# Altium PCB CameraControler2.1.PcbDoc (part 3 of 3)
Units mm, origin at the board's own origin, x right, y up, seen from the top; angles counter-clockwise.
Board outline 140 x 112 mm, 2 copper layers (Top Layer, Bottom Layer); 295 components, 219 nets, 919 pads, 603 vias.
Unrouted connection lines stored in the file: 191.
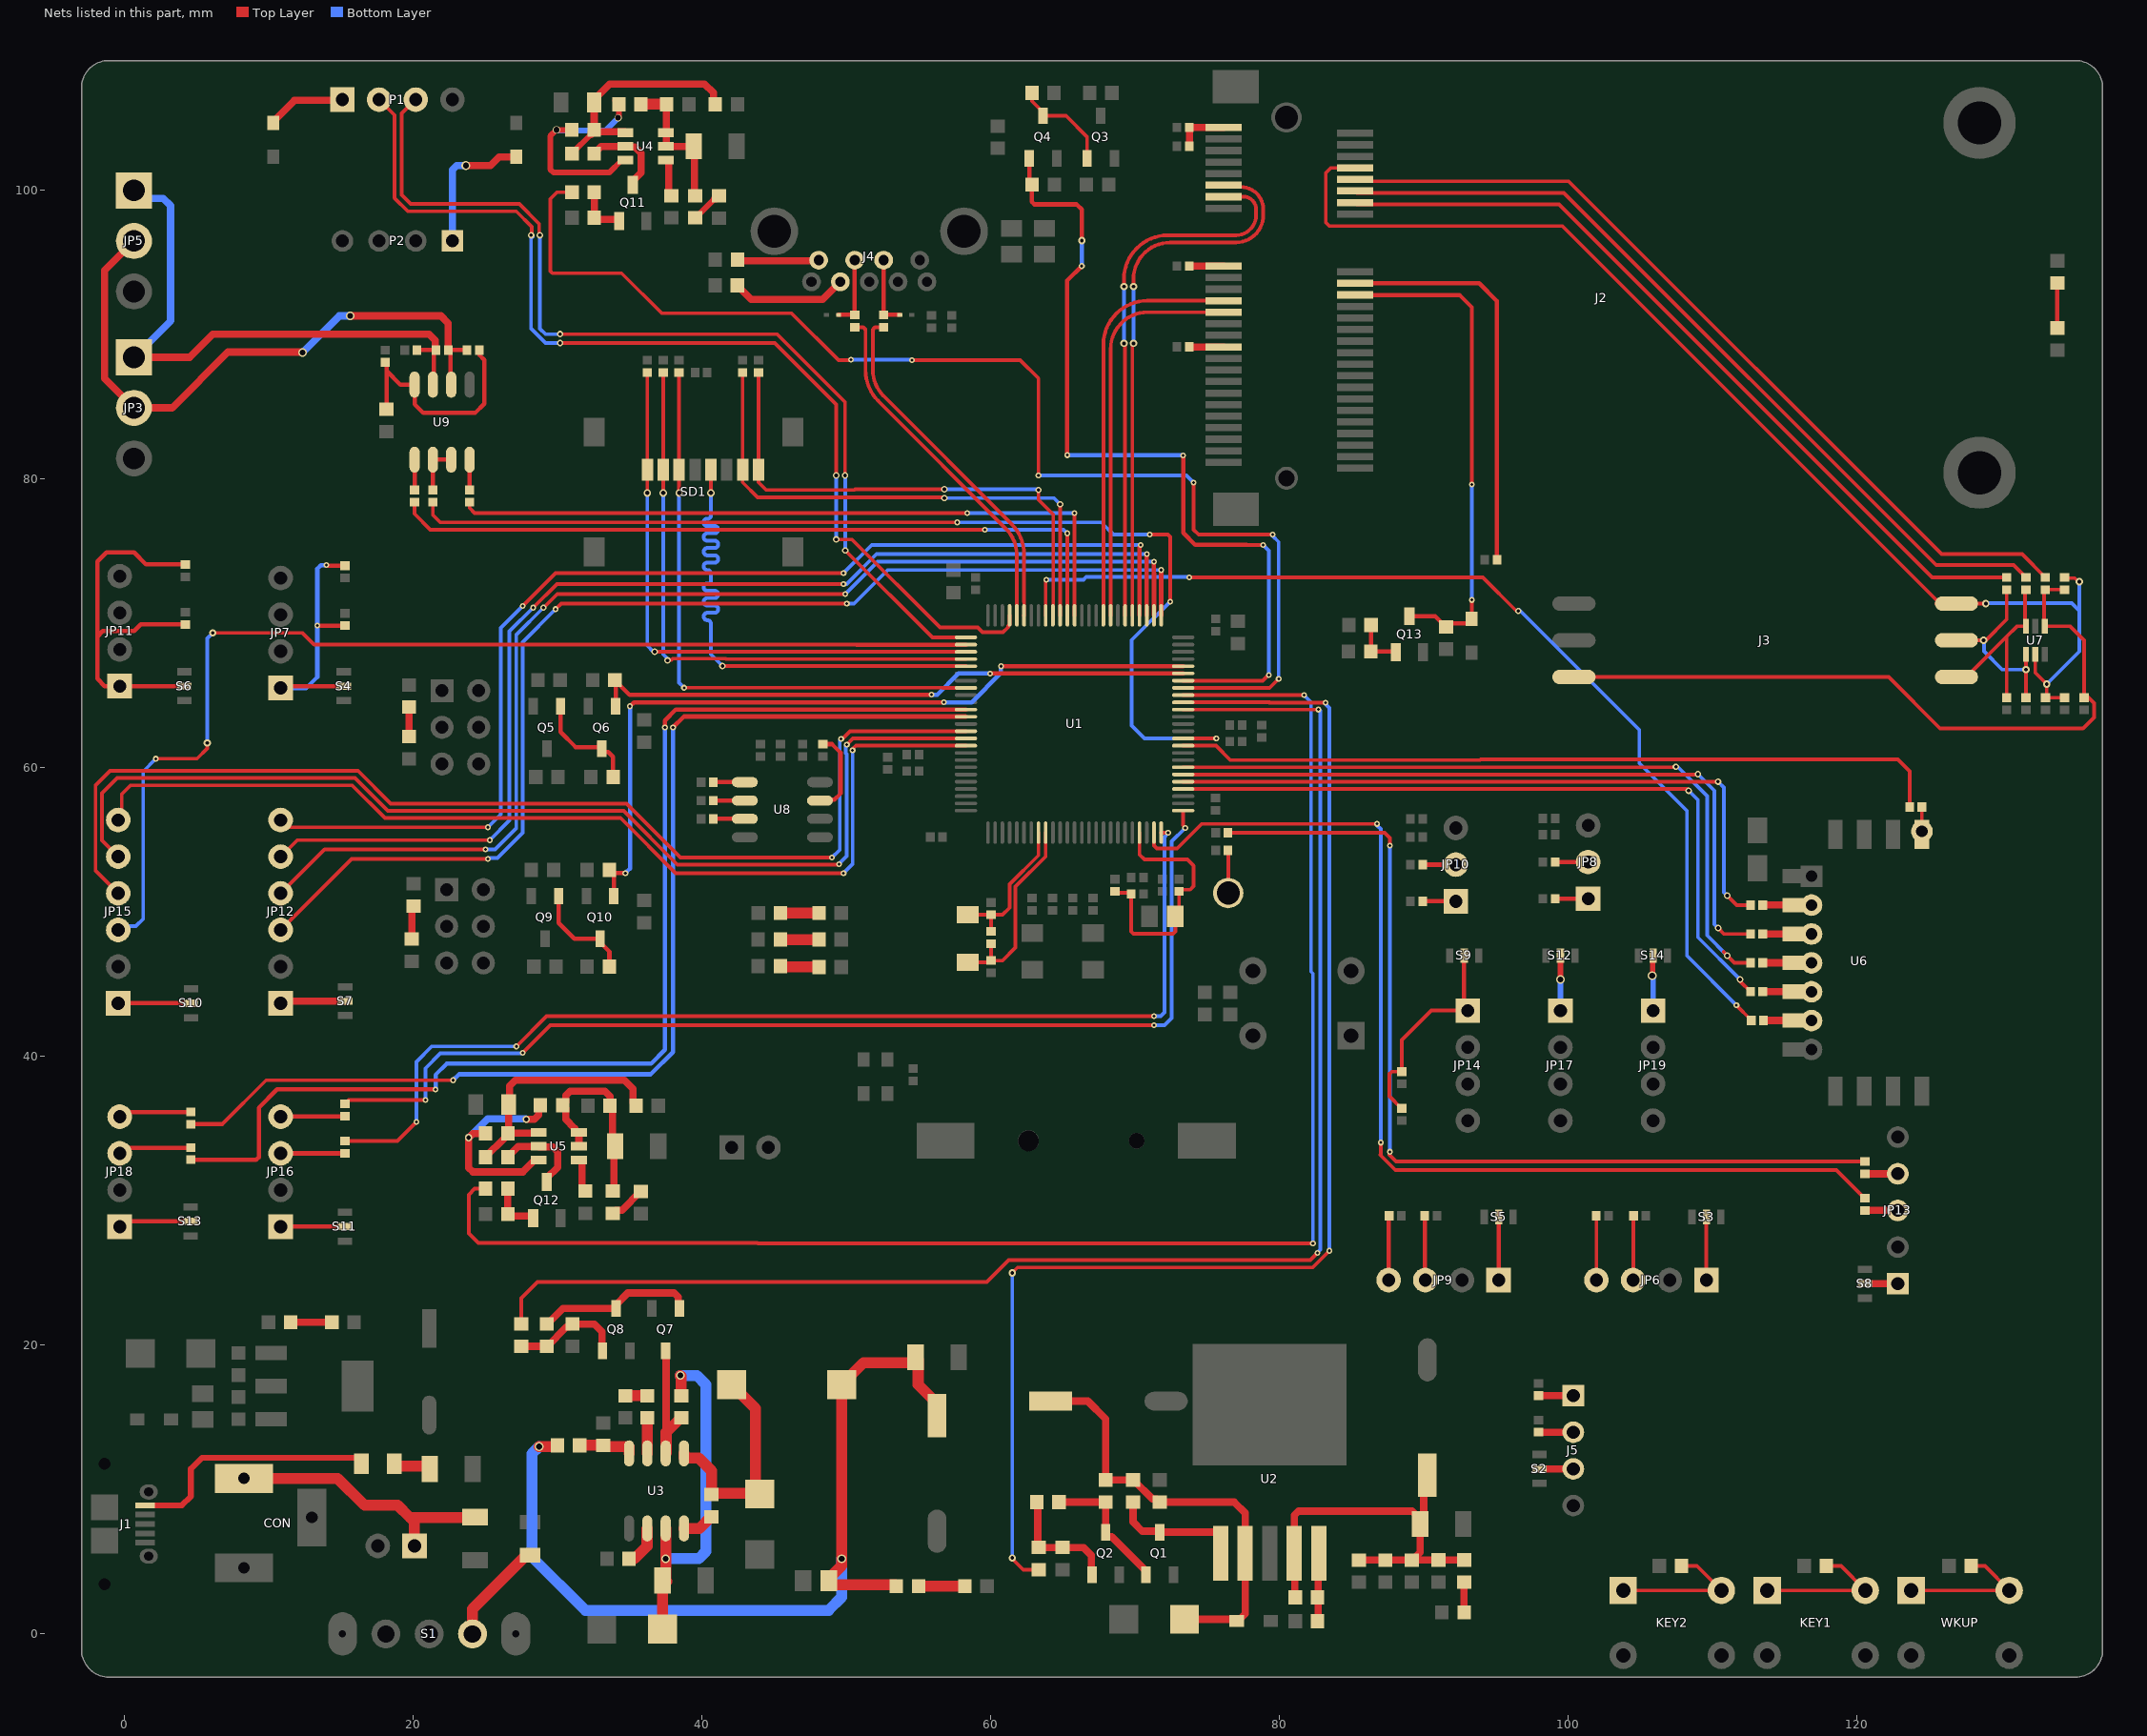
[diagram p3: the nets of this part, all layers, seen from the top]

## Via types
v1: diameter 0.61, hole 0.406, Top Layer to Bottom Layer, 251 vias
v2: diameter 0.406, hole 0.203, Top Layer to Bottom Layer, 142 vias
v3: diameter 0.6, hole 0.35, Top Layer to Bottom Layer, 74 vias
v4: diameter 0.508, hole 0.305, Top Layer to Bottom Layer, 65 vias
v5: diameter 0.508, hole 0.254, Top Layer to Bottom Layer, 32 vias
v6: diameter 0.457, hole 0.254, Top Layer to Bottom Layer, 26 vias
v7: diameter 0.406, hole 0.2, Top Layer to Bottom Layer, 7 vias
v8: diameter 4, hole 3, Top Layer to Bottom Layer, 4 vias
v9: diameter 0.508, hole 0.406, Top Layer to Bottom Layer, 2 vias

## Nets (pads, with @x,y where several pads share a name; then routed paths per layer and width w, separated by ;. In a path a pad name is that pad's centre, name@x,y a point inside that pad or via, vN(x,y) a via of type N, cw(c..) or ccw(c..) an arc to the next point about the centre after c; other vN are vias at no path point) (continued)
NetC23_1: C23.1 C24.2 D7.2 D9.2 R29.2 R32.2 U2.2 | length 30.6
  Top Layer w0.508: C23.1@64.128,16.127 66.701,16.127 67.94,14.888 R32.2@67.94,10.666 R29.2@69.84,10.666 69.865,10.666 71.194,9.337 71.473,9.337 C24.2@71.684,9.126 76.853,9.126 77.604,8.375 U2.2@77.604,5.573 77.604,1.388 77.103,0.887 D9.2@77.018,0.887 76.891,1.014 D7.2@73.403,1.014
NetC25_1: C25.1 C26.2 C27.2 C28.2 R27.2 R28.1 R30.2 R31.2 U2.4 | length 28.7
  Top Layer w0.508: R30.2@81.074,2.538 81.039,2.573 81.039,5.538 U2.4@81.004,5.573 81.004,8.211 81.302,8.509 89.163,8.509 89.719,7.953 R28.1@89.719,7.618 ; C26.2@85.471,5.117 85.473,5.119 C28.2@89.154,5.119 ; C28.2@89.154,5.117 89.179,5.117 C28.2@89.181,5.119 ; C25.1@90.226,10.984 89.973,10.731 89.973,7.871 R28.1@89.719,7.618 ; R27.2@92.766,5.122 92.764,5.119 C28.2@89.181,5.119 ; C28.2@89.181,5.119 89.719,5.658 R28.1@89.719,7.618
NetC31_1: C31.1 U3.8 | length 2.2
  Top Layer w0.762: U3.8@38.735,7.306 39.801,7.306 40.615,8.12 C31.1@40.64,8.12
NetC31_2: C31.2 D11.2 L1.2 U3.1 | length 15.2
  Top Layer w0.762: U3.1@38.735,12.506 38.735,12.223 38.766,12.192 39.751,12.192 40.64,11.303 C31.2@40.64,9.66 40.724,9.744 43.212,9.744 43.688,10.22 43.688,15.621 L1.2@42.037,17.272
NetC33_1: C33.1 D10.2 R45.1 U3.7 | length 25.1
  Top Layer w0.762: D10.2@37.245,0.345 C33.1@37.245,3.695 ; U3.7@37.465,7.306 v1(37.465,5.207) 37.465,3.714 C33.1@37.544,3.635 ; v1(38.481,17.907) 38.522,17.866 38.522,16.527 R45.1@38.547,16.502
  Bottom Layer w0.762: v1(37.465,5.207) 39.751,5.207 40.259,5.715 40.259,17.272 39.624,17.907 v1(38.481,17.907)
NetC34_1: C34.1 C35.2 L1.1 R40.2 R41.1 R43.2 | length 64.7
  Top Layer w0.762: v1(28.702,12.981) 29.88,12.981 R40.2@29.964,13.065 29.972,13.057 29.964,13.049 R40.2@29.972,13.041 ; R43.2@53.445,3.302 53.445,3.327 53.361,3.411 48.968,3.411 48.769,3.61 C35.2@48.769,3.683 48.769,3.838 49.657,4.726 v1(49.657,5.207) L1.1@49.657,17.272 51.162,18.777 54.587,18.777 54.771,18.961 R41.1@54.771,19.158 54.955,18.974 54.955,17.269 56.261,15.963 C34.1@56.261,15.113
  Bottom Layer w0.762: v1(28.702,12.981) 28.194,12.473 28.194,5.334 31.892,1.636 48.753,1.636 49.657,2.54 v1(49.657,5.207)
NetC37_1: C37.1 R53.2 | length 1.5
  Top Layer w0.762: R53.2@34.671,16.502 C37.1@36.195,16.502
NetC37_2: C37.2 U3.3 | length 2.5
  Top Layer w0.762: U3.3@36.195,12.506 C37.2@36.195,14.962
NetC39_1: C39.1 C40.2 R57.1 R60.2 U4.2 U4.3 | length 10.1
  Top Layer w0.5: U4.2@37.474,103.053 R57.1@39.41,103.053 39.456,103.006 39.456,99.686 R60.2@39.503,99.64 ; U4.2@37.501,103.08 C40.2@37.501,105.946
  Top Layer w0.762: C39.1@35.759,105.974 C40.2@37.529,105.974 C40.2@37.501,105.946
NetC39_2: C39.2 R59.1 U4.6 | length 16
  Top Layer w0.4: R59.1@31.235,104.461 R59.1@30.97,104.196 v9(29.906,104.196) 29.47,103.76 29.47,101.473 29.708,101.235 33.556,101.235 34.424,102.103 U4.6@34.674,102.103 ; C39.2@33.954,106.239 C39.2@34.219,105.974 34.219,105.079 v9(34.169,105.029)
  Bottom Layer w0.4: v9(29.906,104.196) 29.962,104.14 33.28,104.14 v9(34.169,105.029)
NetC42_1: C42.1 C43.2 R65.1 R67.2 U5.2 U5.3 | length 14.3
  Top Layer w0.5: U5.2@31.457,33.782 U5.3@31.457,34.732 31.207,34.732 31.157,34.782 31.157,35.032 30.542,35.647 30.542,36.402 C42.1@30.327,36.617 30.542,36.832 30.542,37.299 30.835,37.592 33.252,37.592 33.61,37.234 C43.2@33.61,36.588 33.79,36.408 33.79,33.962 R65.1@33.971,33.782 33.889,33.7 33.889,30.766 R67.2@33.808,30.684
NetC42_2: C42.2 R68.1 U5.6 | length 14.9
  Top Layer w0.5: R68.1@24.986,34.671 24.116,34.671 v4(23.823,34.378) 23.823,32.297 24.116,32.004 27.579,32.004 28.407,32.832 U5.6@28.657,32.832 ; v4(27.805,35.647) 27.806,35.649 28.365,35.649 28.657,35.941 28.657,36.487 C42.2@28.787,36.617
  Bottom Layer w0.5: v4(23.823,34.378) 25.132,35.687 27.765,35.687 v4(27.805,35.647)
NetC46_2: C46.2 J3.6 R76.1 R79.2 U7.1 | length 50.6
  Top Layer w0.254: J3.6@100.373,66.294 122.174,66.294 125.73,62.738 135.636,62.738 136.398,63.5 136.398,64.477 135.934,64.941 135.714,64.941 C46.2@135.753,64.98 ; U7.1@132.94,69.953 132.94,72.26 R79.2@133.026,72.346 R76.1@134.366,72.346 ; U7.1@132.984,69.804 134.747,69.804 135.714,68.837 C46.2@135.714,64.858
NetC47_2: C47.2 J3.3 R78.2 U7.3 | length 12.9
  Top Layer w0.254: J3.3@126.873,66.294 127.554,66.294 130.346,69.086 ; C47.2@130.346,64.858 130.346,69.086 ; U7.3@131.622,69.935 131.622,72.282 R78.2@131.686,72.346 ; U7.3@131.684,69.804 131.064,69.804 130.346,69.086
NetC48_2: C48.2 J3.2 R77.2 U7.4 | length 13.4
  Top Layer w0.254: J3.2@126.873,68.834 v5(128.754,68.834) 128.907,68.834 130.346,70.273 R77.2@130.346,72.346 ; U7.4@131.684,67.864 131.685,67.863 v5(131.685,66.802) 131.685,64.859 C48.2@131.686,64.858
  Bottom Layer w0.254: v5(128.754,68.834) 128.778,68.81 128.778,68.072 130.048,66.802 v5(131.685,66.802)
NetC53_1: C53.1 R92.2 R101.2 U9.8 | length 16.1
  Top Layer w0.3: C53.1@18.126,84.836 18.126,87.503 ; R101.2@18.126,88.089 18.126,87.503 ; R92.2@24.559,88.939 24.559,88.602 24.896,88.265 24.896,85.217 24.261,84.582 20.685,84.582 20.07,85.197 U9.8@20.07,86.547 19.082,86.547 18.126,87.503
NetCON_1: CON.1 JP20.1 R26.1 | length 19.2
  Top Layer w0.762: CON.1@8.255,10.772 14.749,10.772 16.608,8.913 18.9,8.913 19.741,8.072 ; JP20.1@20.066,6.096 20.066,7.747 19.741,8.072 ; R26.1@24.257,8.094 24.235,8.072 19.741,8.072
NetD3_2: D3.2 P1.1 | length 5.5
  Top Layer w0.508: D3.2@10.287,104.685 10.287,104.77 11.756,106.239 15.02,106.239 P1.1@15.072,106.291
NetD4_2: D4.2 P2.1 | length 9.7
  Top Layer w0.508: v1(23.622,101.727) 25.341,101.727 25.939,102.325 D4.2@27.116,102.325
  Bottom Layer w0.508: P2.1@22.692,96.501 22.692,101.429 22.99,101.727 v1(23.622,101.727)
NetD14_1: D14.1 J4.3 R134.2 | length 4.9
  Top Layer w0.3: D14.1@49.442,91.379 R134.2@50.562,91.379 J4.3@50.562,95.171
NetD15_1: D15.1 J4.2 R133.2 | length 4.9
  Top Layer w0.3: J4.2@52.562,95.171 R133.2@52.562,91.379 D15.1@53.682,91.379
NetF1_1: F1.1 R25.1 | length 2.6
  Top Layer w0.762: F1.1@18.669,11.788 18.669,11.736 18.796,11.609 20.937,11.609 R25.1@21.116,11.43
NetF1_2: F1.2 J1.1 | length 17.7
  Top Layer w0.4: J1.1@1.408,8.913 3.96,8.913 4.572,9.525 4.572,11.43 5.337,12.195 16.075,12.195 16.383,11.887 F1.2@16.383,11.788
NetF3_1: F3.1 S1.3 | length 7.2
  Top Layer w0.762: S1.3@24.082,0 24.082,1.73 F3.1@27.94,5.588
NetF4_1: F4.1 R58.2 R59.2 R136.1 U4.4 | length 16.4
  Top Layer w0.4: R58.2@30.978,102.57 R59.2@32.295,103.887
  Top Layer w0.5: R58.2@30.978,102.545 R58.2@30.978,102.57 ; R59.2@32.295,103.887 32.295,103.981 R59.2@32.51,104.196 ; U4.4@34.674,104.003 34.624,104.053 32.653,104.053 R59.2@32.51,104.196 ; R136.1@40.9,105.974 40.765,106.109 40.765,106.763 40.157,107.371 33.589,107.371 32.51,106.291 F4.1@32.51,106.101 R59.2@32.51,104.196
NetF5_1: F5.1 R66.2 R68.2 R137.1 U5.4 | length 17.4
  Top Layer w0.5: R66.2@24.986,33.02 24.986,33.045 26.311,34.37 26.311,34.456 R68.2@26.526,34.671 ; R68.2@26.6,34.954 F5.1@26.6,36.675 26.667,36.742 26.667,37.973 27.048,38.354 34.618,38.354 35.196,37.776 35.196,36.803 R137.1@35.411,36.588 ; R68.2@26.852,34.702 28.626,34.702 U5.4@28.657,34.732
NetJ2_1: J2.1 R75.2 R82.2 | length 3.7
  Top Layer w0.5: R82.2@73.736,103.053 R75.2@73.736,104.361 J2.1@76.117,104.361
NetJ2_17: J2.17 R81.2 | length 2.4
  Top Layer w0.5: R81.2@73.736,94.761 J2.17@76.117,94.761
NetJ2_20: J2.20 R83.1 | length 28.2
  Top Layer w0.3: J2.20@85.217,93.561 93.815,93.561 95.04,92.336 R83.1@95.04,74.422
NetJ2_31: J2.31 R80.2 | length 2.4
  Top Layer w0.5: R80.2@73.736,89.161 J2.31@76.117,89.161
NetJ4_4: J4.4 R88.2 | length 5.7
  Top Layer w0.5: R88.2@42.44,95.201 42.523,95.119 48.01,95.119 J4.4@48.062,95.171
NetJ4_6: J4.6 R89.2 | length 8.1
  Top Layer w0.5: R89.2@42.426,93.417 42.426,93.392 42.641,93.177 42.666,93.177 43.387,92.456 48.347,92.456 J4.6@49.562,93.671
NetJ5_1: J5.1 R96.1 | length 2.4
  Top Layer w0.508: R96.1@97.917,16.51 J5.1@100.33,16.51
NetJ5_2: J5.2 R97.1 | length 2.4
  Top Layer w0.508: R97.1@97.917,13.97 J5.2@100.33,13.97
NetJ5_3: J5.3 S2.2 | length 2.3
  Top Layer w0.508: S2.2@97.99,11.43 J5.3@100.33,11.43
NetJP3_1: JP3.1 JP5.1 R90.1 R94.1 U9.7 | length 40.5
  Top Layer w0.3: R90.1@20.241,88.939 R94.1@21.55,88.939 ; U9.7@21.34,86.547 21.417,86.624 R94.1@21.417,88.806
  Top Layer w0.508: JP3.1@0.635,88.435 4.488,88.435 6.096,90.043 21.082,90.043 21.504,89.621 21.504,88.985 R94.1@21.55,88.939
  Bottom Layer w0.508: JP3.1@0.635,88.435 3.175,90.975 3.175,98.933 2.667,99.441 1.195,99.441 JP5.1@0.635,100.001
NetJP3_2: JP3.2 JP5.2 R92.1 R94.2 U9.6 | length 43.4
  Top Layer w0.3: U9.6@22.61,86.547 22.547,86.611 22.547,88.876 22.483,88.939 R92.1@23.709,88.939
  Top Layer w0.508: JP5.2@0.635,96.501 -1.397,94.469 -1.397,86.967 JP3.2@0.635,84.935 3.274,84.935 7.145,88.806 12.286,88.806 v1(12.319,88.773) ; v1(15.621,91.313) 21.892,91.313 22.4,90.805 R94.2@22.4,88.939
  Bottom Layer w0.508: v1(12.319,88.773) 14.859,91.313 v1(15.621,91.313)
NetJP6_1: JP6.1 S3.2 | length 4.4
  Top Layer w0.254: JP6.1@109.55,24.511 S3.2@109.55,28.883
NetJP6_3: JP6.3 R102.1 | length 4.5
  Top Layer w0.254: JP6.3@104.47,24.511 104.49,24.531 104.49,28.936 R102.1@104.509,28.956
NetJP6_4: JP6.4 R105.1 | length 4.4
  Top Layer w0.254: JP6.4@101.93,24.511 R105.1@101.93,28.956
NetJP7_1: JP7.1 R98.1 R99.1 S4.2 | length 18.5
  Top Layer w0.3: JP7.1@10.919,65.656 10.922,65.659 S4.2@15.167,65.659 ; v2(13.335,69.85) R98.1@15.24,69.85 ; v2@13.97,74.002 R99.1@15.24,74.002
  Bottom Layer w0.3: JP7.1@10.795,65.532 12.573,65.532 13.335,66.294 v2(13.335,69.85) 13.335,73.787 13.589,74.041 v2(13.97,74.041)
NetJP8_1: JP8.1 R100.1 | length 2.3
  Top Layer w0.3: R100.1@99.076,50.929 JP8.1@101.362,50.929
NetJP8_2: JP8.2 R103.1 | length 2.3
  Top Layer w0.3: R103.1@99.076,53.469 JP8.2@101.362,53.469
NetJP9_1: JP9.1 S5.2 | length 4.4
  Top Layer w0.3: JP9.1@95.16,24.511 S5.2@95.16,28.883
NetJP9_3: JP9.3 R112.1 | length 4.5
  Top Layer w0.3: R112.1@90.036,28.956 90.058,28.934 90.058,24.533 JP9.3@90.08,24.511
NetJP9_4: JP9.4 R113.1 | length 4.5
  Top Layer w0.3: JP9.4@87.54,24.511 87.56,24.531 87.56,28.936 R113.1@87.579,28.956
NetJP10_1: JP10.1 R106.1 | length 2.3
  Top Layer w0.3: R106.1@89.908,50.752 JP10.1@92.194,50.752
NetJP10_2: JP10.2 R108.1 | length 2.3
  Top Layer w0.3: R108.1@89.908,53.292 JP10.2@92.194,53.292
NetJP11_1: JP11.1 R110.1 R111.1 S6.2 | length 27.5
  Top Layer w0.3: S6.2@4.118,65.659 -0.254,65.659 -1.397,65.659 -1.905,66.167 -1.905,69.088 ; R110.1@4.191,69.933 1.099,69.933 0.635,69.469 -1.524,69.469 -1.905,69.088 ; R111.1@4.191,74.085 1.48,74.085 0.635,74.93 -1.27,74.93 -1.905,74.295 -1.905,69.088
NetJP12_1: JP12.1 S7.2 | length 4.5
  Top Layer w0.5: JP12.1@10.795,43.688 10.938,43.831 S7.2@15.268,43.831
NetJP13_1: JP13.1 S8.2 | length 2.3
  Top Layer w0.508: S8.2@120.523,24.257 JP13.1@122.809,24.257
NetJP13_3: JP13.3 R115.1 | length 2.3
  Top Layer w0.508: R115.1@120.523,29.337 JP13.3@122.809,29.337
NetJP13_4: JP13.4 R117.1 | length 2.3
  Top Layer w0.508: R117.1@120.523,31.877 JP13.4@122.809,31.877
NetJP14_1: JP14.1 R114.1 R116.1 S9.2 | length 15.2
  Top Layer w0.254: R116.1@88.456,36.41 88.43,36.41 87.601,37.24 87.601,38.801 87.749,38.95 R114.1@88.456,38.95 88.456,41.142 90.493,43.18 JP14.1@93.027,43.18
  Top Layer w0.3: S9.2@92.773,46.99 92.773,43.434 JP14.1@93.027,43.18
NetJP15_1: JP15.1 S10.2 | length 5.1
  Top Layer w0.3: JP15.1@-0.457,43.688 S10.2@4.6,43.688
NetJP16_1: JP16.1 S11.2 | length 4.4
  Top Layer w0.3: JP16.1@10.795,28.211 S11.2@15.24,28.211
NetJP16_3: JP16.3 R118.1 | length 4.4
  Top Layer w0.3: JP16.3@10.795,33.291 R118.1@15.24,33.291
NetJP16_4: JP16.4 R119.1 | length 4.5
  Top Layer w0.3: JP16.4@10.795,35.831 10.815,35.85 15.221,35.85 R119.1@15.24,35.87
NetJP17_1: JP17.1 S12.2 | length 3.8
  Top Layer w0.381: v1(99.441,45.339) S12.2@99.441,46.99
  Bottom Layer w0.381: JP17.1@99.441,43.18 v1(99.441,45.339)
NetJP18_1: JP18.1 S13.2 | length 4.9
  Top Layer w0.3: JP18.1@-0.356,28.575 S13.2@4.552,28.575
NetJP18_3: JP18.3 R120.1 | length 4.9
  Top Layer w0.3: JP18.3@-0.356,33.655 -0.334,33.677 4.55,33.677 R120.1@4.572,33.699
NetJP18_4: JP18.4 R121.1 | length 4.9
  Top Layer w0.3: JP18.4@-0.356,36.195 -0.317,36.156 R121.1@4.572,36.156
NetJP19_1: JP19.1 S14.2 | length 3.9
  Top Layer w0.381: v1(105.791,45.593) 105.823,45.625 105.823,46.958 S14.2@105.855,46.99
  Bottom Layer w0.381: v1(105.791,45.593) 105.855,45.529 JP19.1@105.855,43.18
NetKEY1_1: KEY1.1 R18.2 | length 10.2
  Top Layer w0.254: KEY1.1@113.757,3.012 KEY1.1@120.557,3.012 118.87,4.699 R18.2@117.864,4.699
NetKEY2_1: KEY2.1 R19.2 | length 10.3
  Top Layer w0.254: KEY2.1@103.788,3.012 KEY2.1@110.588,3.012 108.901,4.699 R19.2@107.831,4.699
NetLED1_K: LED1.K R12.2 | length 2.7
  Top Layer w0.762: LED1.K@45.423,49.939 R12.2@48.082,49.939
NetLED2_K: LED2.K R13.2 | length 2.7
  Top Layer w0.762: LED2.K@45.404,48.098 R13.2@48.082,48.098
NetLED3_K: LED3.K R14.2 | length 2.7
  Top Layer w0.762: LED3.K@45.404,46.256 45.435,46.225 48.051,46.225 R14.2@48.082,46.194
NetLED10_A: LED10.A R72.1 | length 3.1
  Top Layer w0.3: LED10.A@133.858,90.468 R72.1@133.858,93.583
NetLED11_A: LED11.A R27.1 | length 2.1
  Top Layer w0.508: LED11.A@92.766,1.487 R27.1@92.766,3.582
NetLED12_A: LED12.A R43.1 | length 3.2
  Top Layer w0.762: R43.1@54.985,3.302 LED12.A@58.182,3.302
NetLED13_A: LED13.A R60.1 | length 2.3
  Top Layer w0.4: R60.1@39.528,98.1 LED13.A@40.837,99.409
  Top Layer w0.5: R60.1@39.503,98.1 R60.1@39.528,98.1 ; LED13.A@40.837,99.409 40.939,99.409 LED13.A@41.154,99.624
NetLED14_A: LED14.A R67.1 | length 2.6
  Top Layer w0.5: R67.1@33.808,29.144 34.023,29.359 34.429,29.359 35.726,30.656 LED14.A@35.751,30.656
NetLED15_A: LED15.A R46.1 | length 2.3
  Top Layer w0.508: LED15.A@19.88,48.133 19.88,50.292 R46.1@20.007,50.419
NetLED16_A: LED16.A R54.1 | length 2
  Top Layer w0.508: LED16.A@19.689,62.17 R54.1@19.689,64.202
NetLED18_A: LED18.A R126.1 | length 2.8
  Top Layer w0.5: LED18.A@11.494,21.59 R126.1@14.343,21.59
NetQ1_1: Q1.1 Q2.3 R32.1 R34.2 | length 9.6
  Top Layer w0.508: R34.2@64.707,9.126 R32.1@67.94,9.126 Q2.3@67.94,7.048 67.94,6.798 68.011,6.727 68.355,6.727 70.734,4.348 Q1.1@70.734,4.098
NetQ1_3: Q1.3 R29.1 U2.1 | length 9
  Top Layer w0.508: R29.1@69.84,9.126 69.84,7.758 70.485,7.113 71.619,7.113 Q1.3@71.684,7.048 75.633,7.048 75.904,6.777 U2.1@75.904,5.573
NetQ2_1: Q2.1 R34.1 R36.2 R38.2 | length 8.4
  Top Layer w0.508: R34.1@63.167,9.126 63.235,9.058 63.235,6.05 R36.2@63.302,5.983 R38.2@64.953,5.983 66.407,5.983 66.955,5.435 66.955,4.133 Q2.1@66.99,4.098
NetQ3_1: Q3.1 Q4.3 R35.1 | length 7.7
  Top Layer w0.254: R35.1@62.846,107.117 62.846,106.176 63.419,105.603 63.601,105.421 Q4.3@63.601,105.171 65.198,105.171 66.649,103.721 Q3.1@66.649,102.221 ; Q4.3@63.425,105.609 Q4.3@63.601,105.433
NetQ5_1: Q5.1 Q6.3 R42.1 | length 8.1
  Top Layer w0.3: Q5.1@30.189,64.265 30.189,62.476 31.224,61.44 32.874,61.44 32.874,61.74 33.049,61.565 Q6.3@33.049,61.315 33.049,61.267 33.224,61.092 33.486,61.092 33.819,60.759 R42.1@33.819,59.37
NetQ7_1: Q7.1 Q8.3 R48.2 | length 11.1
  Top Layer w0.5: R48.2@29.229,21.463 29.254,21.463 30.348,22.557 Q8.3@34.036,22.557 ; 34.851,23.622 38.047,23.622 38.34,23.329 38.34,22.632 Q7.1@38.415,22.557
  Top Layer w0.508: Q8.3@34.036,22.557 34.036,22.807 34.851,23.622
NetQ7_3: Q7.3 R45.2 U3.2 | length 8.6
  Top Layer w0.508: Q7.3@37.465,19.607 37.496,19.576 37.496,13.952
  Top Layer w0.762: U3.2@37.465,12.506 37.496,12.537 37.496,13.952 38.522,14.978 R45.2@38.547,14.978
NetQ8_1: Q8.1 R48.1 R50.2 R52.2 | length 7.8
  Top Layer w0.5: R50.2@27.451,19.923 R48.1@29.229,19.923 29.254,19.923 30.579,21.248 30.792,21.248 R52.2@31.007,21.463 32.512,21.463 33.043,20.932 33.043,19.65 Q8.1@33.086,19.607
NetQ9_1: Q9.1 Q10.3 R55.1 | length 7.4
  Top Layer w0.3: Q9.1@30.057,51.114 30.057,49.244 31.137,48.164 Q10.3@32.925,48.164 32.925,47.914 33.568,47.271 R55.1@33.568,46.219
NetQ11_1: Q11.1 R63.2 R64.1 | length 3.6
  Top Layer w0.5: R63.2@32.518,99.878 R64.1@32.518,98.1 32.625,97.993 34.135,97.993 34.235,97.893 Q11.1@34.235,97.886
NetQ11_3: Q11.3 R58.1 U4.5 | length 6.1
  Top Layer w0.5: R58.1@32.518,102.545 32.518,102.57 33.001,103.053 U4.5@34.674,103.053 34.724,103.003 35.326,103.003 35.759,102.57 35.759,101.235 35.185,100.661 Q11.3@35.185,100.386
NetQ12_1: Q12.1 R70.2 R71.1 | length 3.7
  Top Layer w0.5: R70.2@26.526,30.841 R71.1@26.526,29.083 26.667,28.942 28.19,28.942 28.29,28.842 Q12.1@28.29,28.801
NetQ12_3: Q12.3 R66.1 U5.5 | length 6.4
  Top Layer w0.5: R66.1@26.526,33.02 26.526,33.045 27.263,33.782 U5.5@28.657,33.782 28.707,33.732 29.655,33.732 29.986,33.401 29.986,32.322 29.24,31.576 Q12.3@29.24,31.301
NetQ13_1: Q13.1 R73.2 R74.1 | length 3.6
  Top Layer w0.3: R73.2@86.324,69.886 86.324,68.08 R74.1@86.305,68.061 87.973,68.061 Q13.1@88.033,68.001
  Top Layer w0.508: R73.2@86.314,69.876 R73.2@86.324,69.886
NetR5_2: R5.2 TPH.1 | length 3.5
  Top Layer w0.254: R5.2@76.415,54.273 76.434,54.253 76.434,50.828 TPH.1@76.454,50.808
NetR17_2: R17.2 WKUP.1 | length 10.1
  Top Layer w0.254: WKUP.1@123.727,3.012 WKUP.1@130.527,3.012 128.84,4.699 R17.2@127.897,4.699
NetR30_1: R30.1 R33.2 U2.5 | length 4.7
  Top Layer w0.508: R33.2@82.614,0.887 82.659,0.932 82.659,5.528 U2.5@82.704,5.573